# KiCad board analog_i.kicad_pcb (continued)
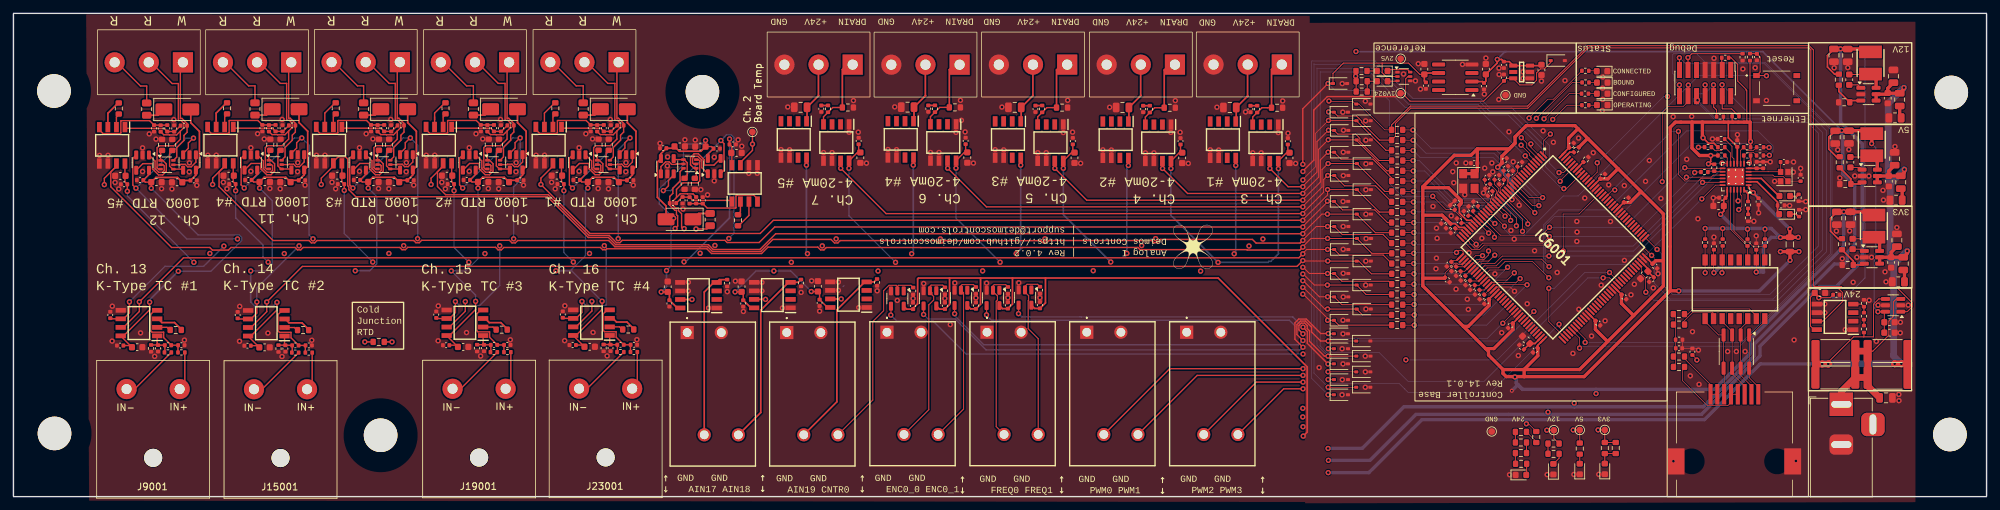
[diagram p0: board, top side]
## Routing (per net, layer and track width the routed paths; a pad name or vN(x,y) marks a point on that pad's centre or on a via; arc(x,y) is an arc through that point) (continued)
/base/Micro/LED2: length 14.5
  Top w0.1: R6026.2 231.47,60.04 v1(227.73,56.3) ; IC6001.2 227.25,50.57 225.65,52.17 v1(225.77,52.55) 225.65,52.55
  In1.Cu w0.1: 227.75,56.3 v1(227.73,56.3) 227.73,56.28 225.77,54.32 v1(225.77,52.55)
/base/Micro/LED3: length 11.1
  Top w0.1: IC6001.1 227.64,52.99 v1(228.67,54.02) ; R6027.2 231.14,58.32 v1(229.03,56.2)
  In1.Cu w0.1: v1(228.67,54.02) 229.03,54.38 v1(229.03,56.2) 229.03,56.24 229.01,56.22
/base/Micro/RMII_CRS_DV: length 50.4
  Top w0.1: IC6001.43 218.45,34.67 218.45,34.71 220.39,34.71 221.52,35.84 v1(228.46,35.84) ; R7005.1 250.72,52.08 v1(250.7,52.05)
  Bottom w0.1: v1(228.46,35.84) 241.16,35.84 254.78,49.46 254.78,49.99 252.71,52.06 v1(250.7,52.05) 250.69,52.06
/base/Micro/RMII_MDC: length 41.4
  Top w0.1: IC6001.27 221.22,38.96 227.38,38.96 v1(228.55,40.13) ; 248.45,48.93 254.28,48.93 U7001.13
  Bottom w0.1: v1(248.67,49.01) 248.53,49.01 239.66,40.13 v1(228.55,40.13)
/base/Micro/RMII_MDIO: length 47.3
  Top w0.1: v1(228.48,37.32) 228.32,37.48 218.82,37.48 218.17,36.83 216.98,36.83 IC6001.36 ; R7008.1 254.98,50.47 U7001.12 254.31,49.6 v1(254.22,49.69)
  Bottom w0.1: v1(228.48,37.32) 240.99,37.32 253.32,49.65 v1(254.22,49.69) 254.26,49.65
/base/Micro/RMII_REF_CLK: length 41.2
  Top w0.1: v1(228.53,38.75) 227.55,37.77 218.6,37.77 217.87,37.04 217.4,37.04 216.63,37.81 216.63,37.92 215.65,38.9 IC6001.35 ; R7007.2 250.21,48.37 v1(250.14,48.29)
  Bottom w0.1: 250.13,48.3 v1(250.14,48.29) 250.13,48.01 240.87,38.75 v1(228.53,38.75)
/base/Micro/RMII_RXD0: length 57.9
  Top w0.1: R7001.2 261.18,52.06 v1(261.22,52.02) ; IC6001.44 218.86,34.38 220.62,34.38 221.62,35.38 227.37,35.38 v1(228.48,34.27)
  Bottom w0.1: 261.21,52.04 v1(261.22,52.02) 258.52,52.04 257.95,52.61 249.78,52.61 238.92,41.75 229.29,41.75 227.9,40.36 227.9,34.85 v1(228.48,34.27)
/base/Micro/RMII_RXD1: length 63.8
  Top w0.1: v1(228.44,32.61) 226.04,35.01 221.92,35.01 220.99,34.08 219.27,34.08 IC6001.45 ; v1(261.26,50.86) 261.22,50.83 R7003.2
  Bottom w0.1: v1(228.44,32.61) 227.69,33.36 227.69,40.51 229.9,42.72 237.17,42.72 248.94,54.5 259.53,54.5 261.79,52.24 261.79,51.41 261.26,50.88 v1(261.26,50.86) 261.24,50.86 261.25,50.87
/base/Micro/RMII_TX_EN: length 28.8
  Top w0.1: 238.25,45.7 v1(238.26,45.69) 237.96,45.7 IC6001.126 ; 247.72,54.45 v1(247.72,54.42) 247.72,47.99 248.68,47.03 250.7,47.03 251.06,47.39 254.28,47.39 U7001.16
  Bottom w0.1: v1(238.26,45.69) 238.26,45.99 246.68,54.42 v1(247.72,54.42)
/base/Micro/RMII_TXD0: length 40.4
  Top w0.1: IC6001.128 232.96,42.11 230.57,42.11 v1(230.59,36.57) 230.57,36.59 ; v1(251.32,46.82) 251.34,46.84 254.23,46.84 U7001.17
  Bottom w0.1: 251.3,46.83 241.04,36.57 v1(230.59,36.57)
/base/Micro/RMII_TXD1: length 40.6
  Top w0.1: v1(228.45,31.03) 228.45,26.08 IC6001.74 ; U7001.18 253.26,46.41 v1(251.2,44.36)
  In2.Cu w0.1: v1(251.2,44.36) 251.19,44.45
  Bottom w0.1: v1(251.2,44.36) 241.46,34.61 232.85,34.61 229.27,31.03 v1(228.45,31.03)
/base/Micro/UART_RX: length 92.1
  Top w0.1: IC6001.78 233.84,23.51 v1(233.85,22.97) 233.84,22.98
  Top w0.15: v1(247.87,65.4) 247.89,65.38 J6001.13
  Bottom w0.1: v1(233.85,22.97) 257.14,22.97 270.36,36.19 270.36,54.68 260.54,64.5 248.77,64.5 v1(247.87,65.4)
/base/Micro/UART_TX: length 100.4
  Top w0.1: 248.12,58.74 248.09,58.77 ; 233.01,22.14 v1(233.02,22.13) 233.01,23.64 IC6001.77
  Top w0.15: J6001.14 247.89,61.33 v1(247.87,61.35)
  Bottom w0.1: v1(233.02,22.13) 233.3,22.41 256.87,22.41 270.57,36.11 270.57,54.77 260.61,64.72 251.7,64.72 250.4,66.02 247.02,66.02 246.87,65.87 246.87,63.07 247.06,62.88 247.06,61.97 v1(247.87,61.35) 247.72,61.31
Net-(C7012-Pad1): length 7.6
  Top w0.1: 247.28,27.19 247.28,23.4 R7024.1 247.32,23.36 C7012.1 247.32,20.9 247.29,20.87 247.3,20.86 247.3,19.65
Net-(C10004-Pad2): length 1.8
  Top w0.5: C10004.2 281.36,33.59 R10003.1
Net-(C11001-Pad1): length 1
  Top w0.25: C11001.1 185.04,58.25 R11001.1
Net-(C11005-Pad2): length 1.8
  Top w0.5: R11005.1 281.02,45.68 C11005.2
Net-(C12002-Pad2): length 1.9
  Top w0.5: C12002.2 280.65,56.65 R12003.1
Net-(C14001-Pad1): length 1
  Top w0.25: R14001.1 169.07,58.25 C14001.1
Net-(C18001-Pad1): length 1
  Top w0.25: C18001.1 153.05,58.27 R18001.1
Net-(C22001-Pad1): length 1
  Top w0.25: C22001.1 137.1,58.3 R22001.1
Net-(C26001-Pad1): length 1
  Top w0.25: R26001.1 121.19,58.28 C26001.1
Net-(D4001-K): length 2.9
  Top w0.25: R4003.1 101.97,42.19 D4001.1
Net-(D5001-K): length 2.9
  Top w0.25: D5001.1 86.47,56.85 R5003.1
Net-(D6001-A): length 1.2
  Top w0.1: R6023.1 235.51,63.45 D6001.2
Net-(D6002-A): length 1.2
  Top w0.1: D6002.2 235.58,61.71 R6025.1
Net-(D6003-A): length 1.3
  Top w0.1: R6026.1 D6003.2
Net-(D6004-A): length 1.2
  Top w0.1: D6004.2 235.57,58.32 R6027.1
Net-(D7001-A): length 7.4
  Top w0.25: U7001.2 259.43,46.91 262.47,43.87 R7012.1 262.47,42.33 D7001.2
Net-(D7001-K): length 1.5
  Top w0.25: D7001.1 265.22,42.08 265.59,41.71
Net-(D7002-A): length 5.7
  Top w0.25: 262.75,44.71 260.05,47.41 U7001.3
Net-(D7002-K): length 1.4
  Top w0.25: 264.32,44.71 265.28,44.71 R7019.1
Net-(D7004-A): length 1.5
  Top w0.15: R7029.1 D7004.2
Net-(D7004-K): length 3.6
  Top w0.15: U7003.6 207.45,63.62 204.65,63.62 D7004.1
Net-(D7005-A): length 3
  Top w0.15: D7005.2 R7030.1 201.43,61.89 R7035.1
Net-(D7005-K): length 1.5
  Top w0.15: U7003.3 205.87,61.9 D7005.1
Net-(D7006-A): length 3.1
  Top w0.15: D7006.2 R7031.1 238.39,6.41 R7036.1
Net-(D7007-A): length 1.4
  Top w0.15: R7032.1 D7007.2
Net-(D7008-A): length 1.7
  Top w0.15: D7008.2 225.14,3.29 R7033.1
Net-(D7009-A): length 1.9
  Top w0.15: R7034.1 229.97,5.72 D7009.2
Net-(D13001-K): length 2.9
  Top w0.25: D13001.1 70.12,56.85 R13003.1
Net-(D17001-K): length 2.9
  Top w0.25: D17001.1 53.79,56.85 R17003.1
Net-(D21001-K): length 2.9
  Top w0.25: D21001.1 37.62,56.85 R21003.1
Net-(D25001-K): length 2.9
  Top w0.25: D25001.1 21.52,56.83 R25003.1
Net-(IC3001-+IN): length 27.8
  Top w0.25: R3002.1 116.77,31.93 IC3001.4 115.33,31.93 111.19,27.79 111.19,12.53 J3001.4
Net-(IC3002-+IN): length 28.5
  Top w0.25: J3006.3 122.51,14.13 122.51,27.83 126.67,31.99 IC3002.4 128.06,31.99 R3003.1
Net-(IC3003-+IN): length 25.5
  Top w0.25: J3001.3 102.78,30.48 104.22,31.91 IC3003.4 105.05,32.33 R3004.1
Net-(IC4001-RG_1): length 2
  Top w0.2: IC4001.2 108.16,42.45 107.81,42.09
Net-(IC4001-RG_2): length 4.4
  Top w0.2: IC4001.3 109.43,41.89 107.81,40.27
Net-(IC4002--IN): length 10
  Top w0.2: IC4002.4 104.23,49.4 102.79,49.4 102.79,50.2 101.9,51.08 101.27,51.08 100.74,50.55 100.74,49.45 101.26,48.92 U4001.1 101.59,47.64 R4006.1
Net-(IC4002-OUT): length 5.4
  Top w0.2: IC4002.1 102.41,49.02 102.41,50.15 101.86,50.7 101.32,50.7 101.05,50.43 101.05,49.73 101.21,49.57 U4001.2
Net-(IC4003--IN): length 4.8
  Top w0.2: IC4003.4 98.38,50.22 U4001.4 99.79,50.22 100.25,49.76 100.25,47.82 R4009.1
Net-(IC4003-OUT): length 4.9
  Top w0.2: U4001.5 98.63,49.57 98.56,49.5 97.92,49.5 97.55,49.88 97.04,49.88 96.34,49.18 IC4003.1
Net-(IC5001-RG_1): length 2
  Top w0.2: IC5001.2 80.27,56.59 80.62,56.94
Net-(IC5001-RG_2): length 4.4
  Top w0.2: 80.62,58.77 79,57.14 IC5001.3
Net-(IC5002--IN): length 10
  Top w0.2: R5006.1 86.84,51.4 U5001.1 87.17,50.12 87.7,49.59 87.7,48.49 87.16,47.96 86.53,47.96 85.65,48.84 85.65,49.64 84.2,49.64 IC5002.4
Net-(IC5002-OUT): length 5.4
  Top w0.2: U5001.2 87.23,49.47 87.39,49.31 87.39,48.61 87.12,48.34 86.57,48.34 86.02,48.89 86.02,50.02 IC5002.1
Net-(IC5003--IN): length 4.8
  Top w0.2: IC5003.4 90.05,48.82 U5001.4 88.64,48.82 88.19,49.28 88.19,51.22 R5009.1
Net-(IC5003-OUT): length 4.9
  Top w0.2: U5001.5 89.81,49.47 89.87,49.53 90.51,49.53 90.89,49.16 91.4,49.16 92.1,49.86 IC5003.1
Net-(IC6001-BOOT0): length 1.5
  Top w0.25: IC6001.138 232.57,48.85 R6022.1
Net-(IC6001-PDR_ON): length 1.7
  Top w0.25: R6021.2 231.55,51.32 IC6001.143
Net-(IC6001-VCAP_1): length 3.3
  Top w0.25: IC6001.71 226.37,22.8 C6035.2 225.61,22.8 C6034.2
Net-(IC6001-VCAP_2): length 3.2
  Top w0.25: C6041.2 243.19,33.54 C6040.1 243.19,33.96 IC6001.106
Net-(IC8001-+IN): length 2.7
  Top w0.15: IC8001.4 274.95,28.68 R8005.2 R8007.1
Net-(IC9001-RG_1): length 2
  Top w0.2: 23.23,24.84 22.85,25.22 IC9001.2
Net-(IC9001-RG_2): length 4.4
  Top w0.25: IC9001.3 21.53,26.49 22.09,25.93 23.96,25.93 25.06,24.84
Net-(IC10001-CB): length 1.9
  Top w0.15: IC10001.1 275.12,36.87 C10001.2
Net-(IC10001-FB): length 4.7
  Top w0.25: IC10001.3 275.19,34.52 R10001.1 273.74,35.1 R10002.2
Net-(IC10001-SW): length 5.7
  Top w0.15: C10001.1 276.57,38.42 L10001.2
  Top w0.5: L10001.2 277.66,37.81 IC10001.6
Net-(IC11001-+IN): length 12.4
  Top w0.2: R11002.2 185.76,57.94 R11001.2 184.38,56.56 IC11001.4
  Top w0.25: 188.7,65.16 187.19,63.64 R11002.2
Net-(IC11002-CB): length 1.9
  Top w0.15: C11009.2 274.72,49.05 IC11002.1
Net-(IC11002-FB): length 4.9
  Top w0.25: IC11002.3 274.81,46.58 R11004.1 273.38,47.35 R11003.2
Net-(IC11002-SW): length 5.7
  Top w0.15: L11001.2 276.31,50.6 C11009.1
  Top w0.5: L11001.2 277.32,49.96 IC11002.6
Net-(IC12001-CB): length 1.9
  Top w0.15: IC12001.1 274.42,61.35 C12006.2
Net-(IC12001-FB): length 5
  Top w0.25: R12001.2 271.59,60.38 R12002.1 273.48,59.01 IC12001.3
Net-(IC12001-SW): length 5.6
  Top w0.15: C12006.1 276.25,62.9 L12001.2
  Top w0.5: IC12001.6 277.14,62.13 L12001.2
Net-(IC13001-RG_1): length 2
  Top w0.2: IC13001.2 63.93,56.59 64.28,56.94
Net-(IC13001-RG_2): length 4.8
  Top w0.2: 62.66,56.18 62.66,57.14 64.28,58.77 ; 62.66,56.18 62.66,56.58 ; 62.66,56.18 IC13001.3
Net-(IC13002--IN): length 10
  Top w0.2: IC13002.4 67.86,49.64 69.31,49.64 69.31,48.84 70.19,47.96 70.82,47.96 71.36,48.49 71.36,49.59 70.83,50.12 70.51,50.12 70.51,51.4 R13006.1
Net-(IC13002-OUT): length 5.4
  Top w0.2: IC13002.1 69.68,50.02 69.68,48.89 70.23,48.34 70.78,48.34 71.05,48.61 71.05,49.31 70.89,49.47 70.51,49.47
Net-(IC13003--IN): length 4.8
  Top w0.2: R13009.1 71.84,51.22 71.84,49.28 72.3,48.82 U13001.4 73.71,48.82 IC13003.4
Net-(IC13003-OUT): length 4.9
  Top w0.2: U13001.5 73.47,49.47 73.53,49.53 74.17,49.53 74.55,49.16 75.06,49.16 75.76,49.86 IC13003.1
Net-(IC14001-+IN): length 12.4
  Top w0.2: IC14001.4 168.41,56.56 R14001.2 169.79,57.94 R14002.2
  Top w0.25: R14002.2 171.22,63.57 172.8,65.15
Net-(IC15001-RG_1): length 2
  Top w0.2: 42.19,24.81 41.8,25.19 IC15001.2
Net-(IC15001-RG_2): length 4.4
  Top w0.25: 44.01,24.81 42.93,25.89 41.01,25.89 40.44,26.47 IC15001.3
Net-(IC17001-RG_1): length 2
  Top w0.2: 47.95,56.94 47.59,56.59 IC17001.2
Net-(IC17001-RG_2): length 4.4
  Top w0.2: 47.95,58.77 46.32,57.14 IC17001.3
Net-(IC17002--IN): length 10
  Top w0.2: R17006.1 54.17,51.4 U17001.1 54.49,50.12 55.02,49.59 55.02,48.49 54.49,47.96 53.85,47.96 52.97,48.84 52.97,49.64 51.53,49.64 IC17002.4
Net-(IC17002-OUT): length 5.4
  Top w0.2: U17001.2 54.55,49.47 54.71,49.31 54.71,48.61 54.44,48.34 53.9,48.34 53.34,48.89 53.34,50.02 IC17002.1
Net-(IC17003--IN): length 4.8
  Top w0.2: IC17003.4 57.37,48.82 U17001.4 55.97,48.82 55.51,49.28 55.51,51.22 R17009.1
Net-(IC17003-OUT): length 4.9
  Top w0.2: U17001.5 57.13,49.47 57.19,49.53 57.84,49.53 58.21,49.16 58.72,49.16 59.42,49.86 IC17003.1
Net-(IC17004-VO): length 10
  Top w0.25: 183.62,65.16 183.62,59.73 183.65,59.7 C17008.2 181.93,55.97 IC17004.1
Net-(IC18001-+IN): length 12.3
  Top w0.2: 155.19,57.97 153.77,57.97 R18001.2 152.39,56.58 IC18001.4
  Top w0.25: 156.76,65.15 155.19,63.59 155.19,57.97
Net-(IC19001-RG_1): length 2
  Top w0.2: 71.73,24.88 71.35,25.26 69.88,25.26
Net-(IC19001-RG_2): length 4.4
  Top w0.25: 73.56,24.88 72.52,25.92 70.79,25.92 70.17,26.53 IC19001.3
Net-(IC20001-VO): length 10
  Top w0.25: 167.72,65.15 167.72,59.8 167.75,59.77 C20001.2 165.96,55.97 IC20001.1
Net-(IC21001-RG_1): length 2
  Top w0.2: 31.79,56.94 31.43,56.59 IC21001.2
Net-(IC21001-RG_2): length 4.4
  Top w0.25: 31.79,58.77 30.16,57.14 IC21001.3
Net-(IC21002--IN): length 10
  Top w0.2: R21006.1 38,51.4 U21001.1 38.33,50.12 38.86,49.59 38.86,48.49 38.32,47.96 37.69,47.96 36.81,48.84 36.81,49.64 35.36,49.64 IC21002.4
Net-(IC21002-OUT): length 5.4
  Top w0.2: IC21002.1 37.18,50.02 37.18,48.89 37.73,48.34 38.28,48.34 38.55,48.61 38.55,49.31 38.39,49.47 U21001.2
Net-(IC21003--IN): length 4.8
  Top w0.2: IC21003.4 41.21,48.82 U21001.4 39.8,48.82 39.34,49.28 39.34,51.22 R21009.1
Net-(IC21003-OUT): length 4.9
  Top w0.2: IC21003.1 43.26,49.86 42.56,49.16 42.05,49.16 41.67,49.53 41.03,49.53 40.97,49.47 U21001.5
Net-(IC22001-+IN): length 12.3
  Top w0.2: R22002.2 137.82,58 R22001.2 136.44,56.61 IC22001.4
  Top w0.25: R22002.2 139.25,63.62 140.76,65.14
Net-(IC23001-RG_1): length 2
  Top w0.2: 90.56,24.9 90.17,25.29 IC23001.2
Net-(IC23001-RG_2): length 4.4
  Top w0.25: IC23001.3 89.18,26.56 89.73,26.01 91.28,26.01 92.39,24.9
Net-(IC24001-VO): length 10
  Top w0.25: 151.68,65.15 151.68,59.8 151.71,59.77 C24001.2 149.94,55.98 IC24001.1
Net-(IC25001-RG_1): length 2
  Top w0.2: 15.68,56.92 15.32,56.56 IC25001.2
Net-(IC25001-RG_2): length 4.4
  Top w0.25: 15.68,58.75 14.05,57.12 IC25001.3
Net-(IC25002--IN): length 10
  Top w0.2: R25006.1 21.89,51.38 U25001.1 22.22,50.09 22.75,49.57 22.75,48.47 22.21,47.94 21.58,47.94 20.7,48.82 20.7,49.61 19.25,49.61 IC25002.4
Net-(IC25002-OUT): length 5.4
  Top w0.2: U25001.2 22.27,49.44 22.43,49.28 22.43,48.58 22.17,48.31 21.62,48.31 21.07,48.87 21.07,50 IC25002.1
Net-(IC25003--IN): length 4.8
  Top w0.2: R25009.1 23.23,51.19 23.23,49.25 23.69,48.8 25.1,48.8 IC25003.4
Net-(IC25003-OUT): length 4.9
  Top w0.2: U25001.5 24.86,49.44 24.92,49.51 25.56,49.51 25.94,49.14 26.45,49.14 27.15,49.84 IC25003.1
Net-(IC26001-+IN): length 12.3
  Top w0.2: R26002.2 121.91,57.98 R26001.2 120.53,56.6 IC26001.4
  Top w0.25: 124.85,65.15 123.33,63.63 R26002.2
Net-(IC28001-VO): length 9.9
  Top w0.25: 135.68,65.14 135.68,59.78 135.71,59.75 C28001.2 133.99,56.02 133.92,55.94
Net-(IC32001-VO): length 10
  Top w0.25: IC32001.1 118.08,56 C32001.2 119.8,59.74 119.77,59.77 119.77,65.15
Net-(J6001-Pin_3): length 1.9
  Top w0.15: R13007.2 254.17,63.64 J6001.3
Net-(J6001-Pin_11): length 10.2
  Top w0.15: J6001.11 249.16,65.41 v1(249.15,65.42) 249.72,66 R6024.2
Net-(J7001-Pad4): length 13.6
  Top w0.1: J7001.4 J7001.5 255.55,14.03 255.08,13.56 252.03,13.56 248.32,17.27 248.32,19.65
Net-(J7001-Pad7): length 8.4
  Top w0.1: J7001.7 J7001.8 252.5,16.69 248.31,20.87
Net-(J9001-Pin_1): length 8.9
  Top w0.2: 16.84,16.02 18.03,16.02 R9002.2
Net-(J9001-Pin_2): length 5.8
  Top w0.2: R9001.1 25.5,16.78 J9001.2
Net-(J15001-Pin_1): length 8.9
  Top w0.2: J15001.1 36.98,16 R15002.2
Net-(J15001-Pin_2): length 5.8
  Top w0.2: J15001.2 44.45,16.76 R15001.1
Net-(J19001-Pin_1): length 8.9
  Top w0.2: R19002.2 66.53,16.06 J19001.1
Net-(J19001-Pin_2): length 5.8
  Top w0.2: J19001.2 74,16.83 R19001.1
Net-(J23001-Pin_1): length 8.9
  Top w0.2: 90.81,21.55 85.36,16.09 J23001.1
Net-(J23001-Pin_2): length 5.8
  Top w0.2: R23001.1 92.83,16.85 J23001.2
Net-(R7014-Pad1): length 0.9
  Top w0.25: R7014.1 258.08,42.06 R7017.2
Net-(R7025-Pad1): length 1.6
  Top w0.15: R7025.1 223.47,4.91 R7033.2
Net-(R7025-Pad2): length 1.6
  Top w0.15: R7026.1 R7025.2
Net-(R7026-Pad2): length 1.6
  Top w0.15: R7028.1 R7026.2
Net-(R7027-Pad1): length 1.5
  Top w0.15: R7027.1 R7034.2
Net-(R7028-Pad2): length 2.2
  Top w0.1: R7028.2 226.58,8.18 R7037.1
Net-(R8006-Pad2): length 0.9
  Top w0.15: R8007.2 R8006.2
Net-(T7001-CT_1): length 89.9
  Top w0.1: 259.3,33.26 259.31,33.26 259.31,33.45 v1(259.3,33.46) 259.31,33.46 T7001.2 ; C7011.2 252.96,36.75 T7001.7 252.96,33.4 v1(253,33.36) ; 251.7,38.68 v1(251.7,39.96) ; 259.27,35.27 T7001.2 ; T7001.2 259.31,36.77 C7010.2 ; 260.6,38.68 v1(260.6,39.86) ; 254.3,38.68 v1(254.3,39.96) ; 250.5,20.32 v1(250.47,20.35) 250.47,20.44 C7007.2 ; 258,38.68 v1(258,39.86)
  Top w0.25: C7006.2 258.86,45.23 v1(258.86,45.29) 258.17,45.98 U7001.1 ; v1(254,42.06) 254.47,42.53 C7009.2 254.47,44.28 C7008.2 254.98,44.79 U7001.19
  Top w0.5: 265.53,38.63 v1(265.55,38.63) FB7001.2 ; FB7001.2 v1(264.3,39.88) ; FB7001.2 v1(262.9,38.61) 262.88,38.63
  In2.Cu w0.5: v1(250.47,20.35) 249.94,20.88 249.94,22.35 265.55,37.96 v1(265.55,38.63)
  Bottom w0.5: 251.78,39.88 v1(251.7,39.96) 261.55,39.96 v1(262.9,38.61) ; v1(253,33.36) 253.76,34.12 259.72,34.12 260.38,33.46 ; 260.38,33.46 260.38,37.46 261.55,38.63 v1(265.55,38.63) ; 260.38,33.46 v1(259.3,33.46) ; v1(258.86,45.29) 264.27,39.88 v1(264.3,39.88) ; 256.18,39.88 v1(254,42.06)
Net-(T7001-NC_3): length 6.2
  Top w0.1: 248.3,25.9 249.9,27.49 252.77,27.49 252.96,27.3 T7001.10
Net-(T7001-NC_6): length 12.2
  Top w0.1: 248.3,27.19 249.13,27.19 249.9,27.96 258.28,27.96 259.31,26.93 T7001.15
Net-(T7001-RX+): length 12.7
  Top w0.1: J7001.3 257.58,16.47 255.71,18.33 D7003.6 D7003.3 255.71,24.6 254.23,26.09 T7001.11
Net-(T7001-RX-): length 12.9
  Top w0.1: T7001.9 251.69,26.09 253.69,24.08 D7003.4 D7003.5 254.53,19.05 J7001.6
Net-(T7001-TX+): length 13
  Top w0.1: J7001.1 259.61,16.35 258.25,17.71 D7003.8 D7003.1 258.57,24.08 260.58,26.09 T7001.16
Net-(T7001-TX-): length 12.4
  Top w0.1: T7001.14 258.04,26.09 256.98,25.03 D7003.2 D7003.7 256.98,18.08 258.59,16.47 J7001.2
Net-(U7001-CRS_DV/MODE2): length 5.2
  Top w0.1: R7005.2 253.12,51.59 254.13,51.59 R7006.2 255.48,51.2 U7001.11
Net-(U7001-RBIAS): length 1.7
  Top w0.25: 258.08,44.28 258.08,45.12 U7001.24
Net-(U7001-RXD0/MODE0): length 5
  Top w0.1: U7001.8 256.98,51.61 R7002.2 257.91,51.58 258.88,51.58 R7001.1
Net-(U7001-RXD1/MODE1): length 3.5
  Top w0.1: R7003.1 258.87,51.31 258,51.31 257.48,50.79 ; 257.48,50.79 U7001.7 ; 257.48,50.79 R7004.2
Net-(U7001-RXER/PHYAD0): length 4.3
  Top w0.1: U7001.10 255.98,50.33 255.69,50.62 255.69,52.19 R7010.2
Net-(U7001-VDDCR): length 2.2
  Top w0.25: U7001.6 258.18,48.92 C7003.2 C7004.2
Net-(U7001-XTAL1/CLKIN): length 6.3
  Top w0.1: 262.93,49.86 C7001.2 262.95,49.83 262.95,48.36 262.9,48.41 261.08,48.41 261.08,48.41 U7001.5
Net-(U7001-XTAL2): length 8.1
  Top w0.1: U7001.4 261.78,47.91 262,47.68 263.33,47.68 264,47.01 265.89,47.01 C7002.2
Net-(U7001-~{INT}/REFCLKO): length 2.3
  Top w0.1: U7001.14 253.14,48.41 R7009.2 252.23,48.5 R7007.1
Net-(U8001-+): length 30.8
  Top w0.15: U8001.3 280.14,29.45 279.72,29.03 279.72,26.83 279.04,26.15 279.04,24.06 276.65,21.67 R8002.2
  Top w1: R8004.2 R8002.2 R8003.2 274.03,21.66 R8001.2 ; R8004.2 275.88,16.5 C8003.1 ; R8004.2 275.86,17.75 R8001.2 ; R8001.2 271.96,15.68 J8001.1
unconnected-(J6001-Pin_2-Pad2): length 1.3
  Top w0.1: 255.74,58.98 255.74,59.64 255.41,59.97 255.41,60.07 255.31,60.07

## Copper pours and planes (outline as drawn; the poured copper is in the pictures)
+3V3 on In2.Cu: 250.79,54.61 259.42,54.63 259.46,49.17 250.85,49.22
GND on Top, Bottom, In1.Cu, In2.Cu: 282.99,-0.83 192.18,-1 192.18,70.59 282.99,70.76
GND on Top, Bottom, In1.Cu, In2.Cu: 10.81,71.83 192.87,71.63 193.31,-0.81 11.26,-0.6

## Text on the board
B.Silkscreen: Licensed Software Included in this Device / ----------------------------------------- / (MIT OR Apache-2.0) AND Unicode-DFS-2016 (1): unicode-ident / 0BSD (4): irq, managed, smoltcp, stm32h7xx-hal / Apache-2.0 OR MIT (39): array-macro, autocfg, bare-metal, / bare-metal, bitfield, bitflags, byte_struct, byte_struct_derive, / cast, cfg-if, cortex-m, cortex-m-rt, cortex-m-rt-macros, / critical-section, embedded-dma, embedded-hal, embedded-storage, / flaw, fugit, gcd, hash32, heapless, interpn, libm, nb, / nb, num-traits, panic-halt, paste, proc-macro2, quote, / rustc_version, semver, semver-parser, stable_deref_trait, / stm32h7, syn, vcell, volatile-register / Apache-2.0 OR MIT OR Unlicense (1): atomic_float / MIT (1): void / MIT OR Unlicense (1): byteorder | MIT License / ----------- / Permission is hereby granted, free of charge, to any person obtaining a copy of this software / and associated documentation files (the “Software”), to deal in the Software without restriction, / including without limitation the rights to use, copy, modify, merge, publish, distribute, sublicense, / and/or sell copies of the Software, and to permit persons to whom the Software is furnished to do so, / subject to the following conditions: / The above copyright notice and this permission notice shall be included in all copies or substantial / portions of the Software. / THE SOFTWARE IS PROVIDED “AS IS”, WITHOUT WARRANTY OF ANY KIND, EXPRESS OR IMPLIED, INCLUDING BUT NOT / LIMITED TO THE WARRANTIES OF MERCHANTABILITY, FITNESS FOR A PARTICULAR PURPOSE AND NONINFRINGEMENT. IN / NO EVENT SHALL THE AUTHORS OR COPYRIGHT HOLDERS BE LIABLE FOR ANY CLAIM, DAMAGES OR OTHER LIABILITY, / WHETHER IN AN ACTION OF CONTRACT, TORT OR OTHERWISE, ARISING FROM, OUT OF OR IN CONNECTION WITH THE / SOFTWARE OR THE USE OR OTHER DEALINGS IN THE SOFTWARE.
F.Silkscreen: ↑ / ↓ | Ch. 2 / Board Temp | CONNECTED | CONFIGURED | BOUND | OPERATING | 2V5 | 1V024 | GND | 24V | 12V | 5V | 3V3 | Cold / Junction / RTD | GND   GND / AIN17 AIN18 | GND   GND / AIN19 CNTR0 | GND   GND / ENC0_0 ENC0_1 | GND   GND / FREQ0 FREQ1 | GND   GND / PWM0 PWM1 | GND   GND / PWM2 PWM3 | Analog I        | Rev 4.0.2 / Deimos Controls | https://github.com/deimoscontrols / | support@deimoscontrols.com | Controller Base / Rev 14.0.1 | DRAIN  +24V   GND | Reference | Status | Debug | Reset | Ethernet | Ch. 13 / K-Type TC #1 | Ch. 14 / K-Type TC #2 | Ch. 15 / K-Type TC #3 | Ch. 16 / K-Type TC #4 | W   R   R | Ch. 12 / 100Ω RTD #5 | Ch. 11 / 100Ω RTD #4 | Ch. 10 / 100Ω RTD #3 | Ch. 9 / 100Ω RTD #2 | Ch. 8 / 100Ω RTD #1 | Ch. 7 / 4-20mA #5 | Ch. 6 / 4-20mA #4 | Ch. 5 / 4-20mA #3 | Ch. 4 / 4-20mA #2 | Ch. 3 / 4-20mA #1
